# Altium PCB DRS4-PCB.PcbDoc (part 5 of 15) (continued)
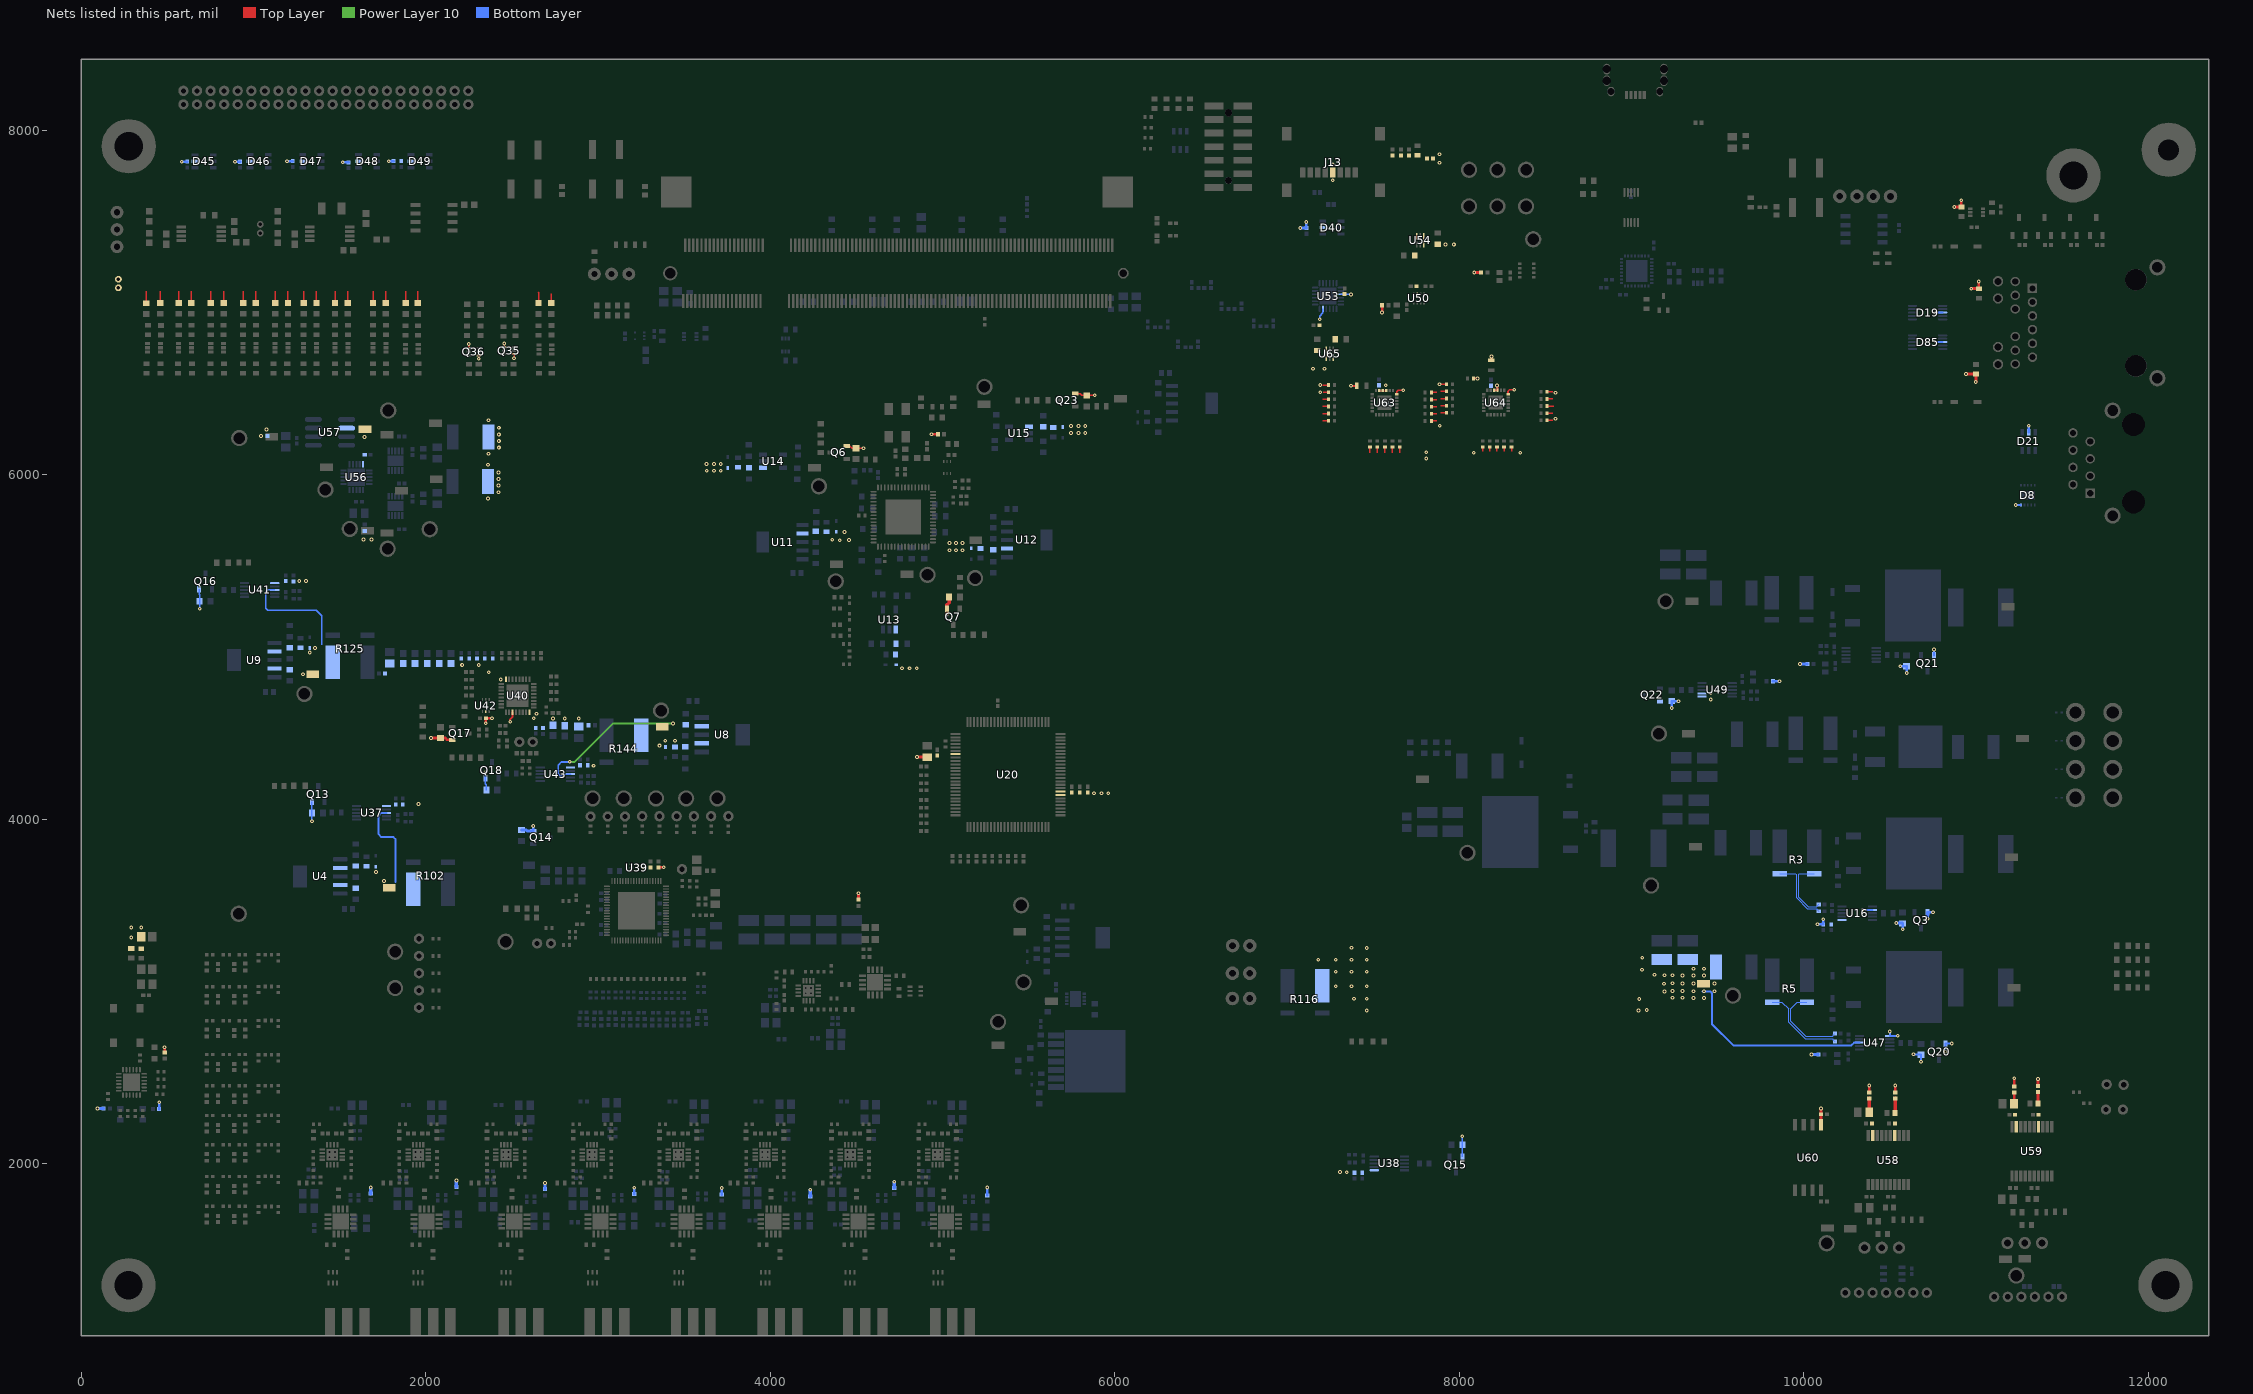
[diagram p15: the nets of this part, all layers, seen from the top]
## Part data (continued)
R10 R25 R47 R48 R70 R78 R107 R121 R122 R135 R150 R153 R197 R198 R208 R209 R210 R215 R281 R282 R283 R284 R285 R286 R287 R288 R297 R298 R299 R300 R301 R302 R303 R304 R311 R313 R314 R316 R317 R318 R319 R320 R329 R331: library part CMP-1012-00098-1, "10K 0.1W 5% 0603 (1608 Metric)  SMD", Case-EIA=0603, Case-Metric=1608, Power="0.1 W", Tolerance="5 %", Technology=SMT
R11: library part CMP-1012-00106-1, "22K 0.1W 5% 0603 (1608 Metric)  SMD", Case-EIA=0603, Case-Metric=1608, Power="0.1 W", Tolerance="5 %", Technology=SMT
R12 R19 R37 R38 R340 R341: library part CMP-1012-00655-1, "20K 0.1W 1% 0603 (1608 Metric)  SMD", Case-EIA=0603, Case-Metric=1608, Power="0.1 W", Tolerance="1 %", Technology=SMT
R15: library part CMP-1012-00102-1, "15K 0.1W 5% 0603 (1608 Metric)  SMD", Case-EIA=0603, Case-Metric=1608, Power="0.1 W", Tolerance="5 %", Technology=SMT
R16 R17: library part CMP-1012-00103-1, "16K 0.1W 5% 0603 (1608 Metric)  SMD", Case-EIA=0603, Case-Metric=1608, Power="0.1 W", Tolerance="5 %", Technology=SMT
R18: library part CMP-1012-00104-1, "18K 0.1W 5% 0603 (1608 Metric)  SMD", Case-EIA=0603, Case-Metric=1608, Power="0.1 W", Tolerance="5 %", Technology=SMT
R20 R24 R75 R76 R77 R79 R81 R82 R83 R84 R85 R86 R87 R88 R89 R90 R91 R92 R93 R94 R95 R96 R97 R98 R103 R105 R108 R117 R120 R128 R129 R130 R132 R133 R134 R136 R137 R138 R139 R141 R142 R143 R145 R146 R147 R149 R151 R158 R173 R191 R192 R194 R199 R200 R201 R205 R206 R207 R219 R220 R270 R271 R272 R333 R369 R370 R371 R372 R373 R374 R375 R376 R377 R378 R379 R380 R381: "0R 0.062W 1% 0402 (1005 Metric)  SMD", Resistance="0R 1% 0402", Supplier Part Number 1=71-CRCW04020000Z0EDC, Supplier 1=Mouser
R21 R29 R32 R49 R53 R64 R65 R112 R123 R124 R140 R154 R155 R195 R196 R211 R212 R213 R216 R273 R274 R275 R276 R277 R278 R279 R280 R289 R290 R291 R292 R293 R294 R295 R296 R305 R306 R309 R310 R321 R322 R323 R324: library part CMP-1012-00070-1, "680R 0.1W 5% 0603 (1608 Metric)  SMD", Case-EIA=0603, Case-Metric=1608, Power="0.1 W", Tolerance="5 %", Technology=SMT
R23 R45 R46 R104 R118 R119 R131 R148 R152 R202 R203 R204 R214: library part CMP-1012-00122-1, "100K 0.1W 5% 0603 (1608 Metric)  SMD", Case-EIA=0603, Case-Metric=1608, Power="0.1 W", Tolerance="5 %", Technology=SMT
R27 R36 R193: library part CMP-1012-00074-1, "1K 0.1W 5% 0603 (1608 Metric)  SMD", Case-EIA=0603, Case-Metric=1608, Power="0.1 W", Tolerance="5 %", Technology=SMT
R31 R33 R35 R57 R58 R59 R60 R68 R69 R71 R72 R73 R74 R99 R100 R109 R110 R113 R114 R163 R179 R217 R218 R250 R251 R252 R253 R254 R255 R256 R257 R258 R259 R260 R261 R262 R263 R264 R265 R266 R267 R268 R269 R307 R308 R312 R315 R334 R335 R336 R337 R338 R339 R343 R344 R382 R383 R384 R385 R386 R387: library part CMP-1011-00514-1, "1K1 0.063W 1% 0402 (1005 Metric)  SMD", Case-EIA=0402, Case-Metric=1005, Power="0.063 W", Tolerance="1 %", Technology=SMT
R39 R50 R51 R127 R166A R166B R166C R166D R166E R166F R166G R166H R167A R167B R167C R167D R167E R167F R167G R167H R182 R183 R361: library part CMP-1011-00320-1, "22R 0.063W 1% 0402 (1005 Metric)  SMD", Case-EIA=0402, Case-Metric=1005, Power="0.063 W", Tolerance="1 %", Technology=SMT
R40 R41 R42 R55 R56 R106 R168 R169 R184 R185 R345 R346 R347 R348 R349 R362: library part CMP-1011-00050-1, "100R 0.063W 5% 0402 (1005 Metric)  SMD", Case-EIA=0402, Case-Metric=1005, Power="0.063 W", Tolerance="5 %", Technology=SMT
R43 R44 R101 R189 R190 R325 R326 R327 R328 R359: "0603 Do not place resistor", Resistance="DNP 0603"
R61: library part Res_Yageo_RT0603BRE078KL_8K, "8K 0.1W 1% 0603 (1608 Metric)  SMD", Supplier Part Number 1=603-RT0603BRE078KL, Supplier 1=Mouser
R62: "RES SMD 523 OHM 1% 1/10W 0603", Resistance="523R 1% 0603", Supplier Part Number 1=71-CRCW0603-523-E3, Supplier 1=Mouser
R63: "RES SMD 442 OHM 1% 1/10W 0603", Resistance="442R 1% 0603", Supplier Part Number 1=652-CR0603FX-4420ELF, Supplier 1=Mouser
R66: library part CMP-1012-00110-1, "33K 0.1W 5% 0603 (1608 Metric)  SMD", Case-EIA=0603, Case-Metric=1608, Power="0.1 W", Tolerance="5 %", Technology=SMT
R67: "Thick Film Resistors - SMD 2.49K ohm 1% 50V General Purpose", Resistance="2.49k 1% 0402", Supplier Part Number 1=603-RC0402FR-132K49L, Supplier 1=Mouser
R80 R187 R188 R225 R226 R227 R228 R231 R232 R233 R234 R237 R238 R239 R240 R243 R244 R245 R246 R248 R249: library part CMP-1011-00449-1, "300R 0.063W 1% 0402 (1005 Metric)  SMD", Case-EIA=0402, Case-Metric=1005, Power="0.063 W", Tolerance="1 %", Technology=SMT
R111: library part CMP-1012-00053-1, "130R 0.1W 5% 0603 (1608 Metric)  SMD", Case-EIA=0603, Case-Metric=1608, Power="0.1 W", Tolerance="5 %", Technology=SMT
R115 R126 R157A R157B R157C R157D R157E R157F R157G R157H R172 R342: library part CMP-1011-00363-1, "49R9 0.063W 1% 0402 (1005 Metric)  SMD", Case-EIA=0402, Case-Metric=1005, Power="0.063 W", Tolerance="1 %", Technology=SMT
R156A R156B R156C R156D R156E R156F R156G R156H R164A R164B R164C R164D R164E R164F R164G R164H R171 R178: library part CMP-1011-00374-1, "61R9 0.063W 1% 0402 (1005 Metric)  SMD", Case-EIA=0402, Case-Metric=1005, Power="0.063 W", Tolerance="1 %", Technology=SMT
R159A R159B R159C R159D R159E R159F R159G R159H R162A R162B R162C R162D R162E R162F R162G R162H R174 R177: library part CMP-1011-00420-1, "165R 0.063W 1% 0402 (1005 Metric)  SMD", Case-EIA=0402, Case-Metric=1005, Power="0.063 W", Tolerance="1 %", Technology=SMT
R160A R160B R160C R160D R160E R160F R160G R160H R161A R161B R161C R161D R161E R161F R161G R161H R175 R176: library part CMP-1011-00302-1, "15R 0.063W 1% 0402 (1005 Metric)  SMD", Case-EIA=0402, Case-Metric=1005, Power="0.063 W", Tolerance="1 %", Technology=SMT
R165A R165B R165C R165D R165E R165F R165G R165H R170A R170B R170C R170D R170E R170F R170G R170H R180 R181: library part CMP-1011-00457-1, "348R 0.063W 1% 0402 (1005 Metric)  SMD", Case-EIA=0402, Case-Metric=1005, Power="0.063 W", Tolerance="1 %", Technology=SMT
R186 R223 R224 R229 R230 R235 R236 R241 R242 R247: library part CMP-1011-00311-1, "18R 0.063W 1% 0402 (1005 Metric)  SMD", Case-EIA=0402, Case-Metric=1005, Power="0.063 W", Tolerance="1 %", Technology=SMT
R221: library part CMP-1011-00328-1, "25R5 0.063W 1% 0402 (1005 Metric)  SMD", Case-EIA=0402, Case-Metric=1005, Power="0.063 W", Tolerance="1 %", Technology=SMT
R222: library part CMP-1012-00284-1, "10R 0.1W 1% 0603 (1608 Metric)  SMD", Case-EIA=0603, Case-Metric=1608, Power="0.1 W", Tolerance="1 %", Technology=SMT
R330 R332: "RES SMD 16.9k OHM 5% 1/4W 0603", Resistance="16.9K 1% 0603", Supplier Part Number 1=667-ERJ-3EKF1692V, Supplier 1=Mouser
R350 R351 R352 R353 R354 R355 R356 R357 R358: library part CMP-1011-00341-1, "33R 0.063W 1% 0402 (1005 Metric)  SMD", Case-EIA=0402, Case-Metric=1005, Power="0.063 W", Tolerance="1 %", Technology=SMT
R360: "20R 62.5mW 1% 0402 (1005 Metric)  SMD", Resistance="20R 1% 0402", Supplier Part Number 1=755-SFR01MZPF20R0, Supplier 1=Mouser
R363 R364 R365 R366 R367 R368 R388 R389: "0R 0.25W 1% 0603 (1608 Metric)  SMD", Resistance="0R 1% 0603", Supplier Part Number 1=71-CRCW06030000Z0EAH, Supplier 1=Mouser
S1 S2 S3: "Tactile Switches Tact 6.2 x 6.2, 5.1 mm H, 1.7N, J leads, Potting Friendly, IP67", Supplier Part Number 1=611-KSC421J70SHLFSPF, Supplier 1=Mouser
T1: "WE-RJ45 LAN Transformer, 10/100/1000 Base-T, THT, Port 1x1, Tab Up", Operating Temperature="0 to +70 degC", Supplier Part Number 1=710-7499111221A, ComponentLink1Description=Manufacturer, ComponentLink1URL=http://www.we-online.de, ComponentLink2Description=Datasheet, ComponentLink2URL=http://katalog.we-online.de/pbs/datasheet/7499111221A.pdf, Data Rate="10/100/1000 Base-T", LED (Left-Right)=green-green, Mounting Technology=THT, Part Number=7499111221A, PoE=non-PoE, Port Number=1x1, Published Date="Dec. 2017", Publisher="Wurth Elektronik", Supplier 1=Mouser, Tab Position=Up, USB=No
TP1 TP2 TP4 TP5 TP7 TP8 TP10 TP12 TP14 TP16 TP19 TP21 TP23 TP24 TP26 TP28 TP30 TP32 TP34 TP36 TP72 TP73 TP74 TP76 TP78 TP79 TP80 TP81 TP82 TP89 TP90 TP91 TP92 TP95: "Circuit Board Hardware - PCB SMT Mini Test Terminal, Reel", Supplier Part Number 1=76Y5391, Series=S2761-46R, Supplier 1=Newark
TP3 TP6 TP9 TP11 TP13 TP15 TP17 TP18 TP20 TP22 TP25 TP27 TP29 TP31 TP33 TP35 TP37 TP38 TP39 TP40 TP41 TP42 TP43 TP44 TP51 TP52 TP53 TP54 TP55 TP68 TP83 TP84 TP85 TP86 TP87 TP88 TP93 TP94 TP96: "Circuit Board Hardware - PCB TEST POINT BLK .063", Supplier Part Number 1=534-5006, Series=5006, Supplier 1=Mouser
TP45 TP46 TP47 TP48 TP49 TP50 TP57 TP58 TP59 TP60 TP61 TP62 TP63 TP64 TP65 TP66 TP67 TP97 TP98 TP99 TP100 TP101 TP102: "Headers & Wire Housings Unshrouded 1 POS T/H", Supplier Part Number 1=571-51462801, Series=5-146280-1, Supplier 1=Mouser
U1 U2: "Supervisory Circuits 2.93V Monitor"
U4 U5 U9: "Single Output High PSRR LDO, 500 mA, Fixed 2.5 V Output, 2.7 to 5.5 V Input, 6-pin SOT-223 (DCQ), -40 to 125 degC, Green (RoHS & no Sb/Br)", Manufacturer="Texas Instruments", Rating=Catalog, Supplier Part Number 1=595-TPS79525DCQR, Accuracy(%)=2, ComponentLink1Description="Manufacturer URL", ComponentLink1URL=http://www.ti.com/, ComponentLink2Description=Datasheet, ComponentLink2URL=http://www.ti.com/general/docs/lit/getliterature.tsp?genericPartNumber=TPS79525&fileType=pdf, ComponentLink3Description="Package Specification", ComponentLink3URL=http://www.ti.com/litv/pdf/mpds098c, DatasheetVersion=SLVS350H, Eco-Plan="Green (RoHS & no Sb/Br)", Fixed Output Options(V)=2.5, Iout(Max)(A)=0.5, Iq(Typ)(mA)=0.26, Mounting Technology="Surface Mount", PackageDescription="6-Pin Plastic Small Outline, Body 3.5 x 6.5 mm, Pitch 1.27 mm", PackageReference=DCQ0006A, PackageVersion=4202109/D, PartNumber=TPS79525DCQR, SubFamily="Single Channel LDO", Supplier 1=Mouser, Supplier 2=Digi-Key, Supplier 3=Arrow, Supplier Part Number 2=296-41778-6-ND, Supplier Part Number 3=TPS79525DCQR, Vdo(Typ)(mV)=110, Vin(Max)(V)=5.5, Vin(Min)(V)=2.7, Vout Adj(Max)(V)=2.5, Vout Adj(Min)(V)=2.5
U6: "LDO Voltage Regulators 5A Low VIN LDO Regulator with 0.5Vref", Supplier Part Number 1=998-MIC69502WRTR, Series=MIC69502WR-TR, Supplier 1=Mouser
U7: "LDO Voltage Regulators 0.5A Hi PSRR FT LDO 2.5V", Supplier Part Number 1=584-ADM7170ACPZ2.5R7, Series=ADM7170ACPZ-2.5-R7, Supplier 1=Mouser
U8: "Single Output High PSRR LDO, 500 mA, Fixed 3 V Output, 2.7 to 5.5 V Input, 6-pin SOT-223 (DCQ), -40 to 125 degC, Green (RoHS & no Sb/Br)", Manufacturer="Texas Instruments", Rating=Catalog, Supplier Part Number 1=595-TPS79530DCQR, Accuracy(%)=2, ComponentLink1Description="Manufacturer URL", ComponentLink1URL=http://www.ti.com/, ComponentLink2Description=Datasheet, ComponentLink2URL=http://www.ti.com/general/docs/lit/getliterature.tsp?genericPartNumber=TPS79530&fileType=pdf, ComponentLink3Description="Package Specification", ComponentLink3URL=http://www.ti.com/litv/pdf/mpds098c, DatasheetVersion=SLVS350H, Eco-Plan="Green (RoHS & no Sb/Br)", Fixed Output Options(V)=3, Iout(Max)(A)=0.5, Iq(Typ)(mA)=0.26, Mounting Technology="Surface Mount", PackageDescription="6-Pin Plastic Small Outline, Body 3.5 x 6.5 mm, Pitch 1.27 mm", PackageReference=DCQ6, PackageVersion=4202109/D, PartNumber=TPS79530DCQR, SubFamily="Single Channel LDO", Supplier 1=Mouser, Vdo(Typ)(mV)=110, Vin(Max)(V)=5.5, Vin(Min)(V)=2.7, Vout Adj(Max)(V)=3, Vout Adj(Min)(V)=3
U10: "MOSFET Automotive-grade N-channel 60 V, 19 mOhm typ., 24 A STripFET F6 Power MOSFET in a DPAK package", Supplier Part Number 1=511-STD30NF06L, Built_By=EMA_UL_Team, C="Copyright (C) 2015 Accelerated Designs. All rights reserved", Manufacturer_Part_Number=STD30NF06LT4, RefDes=RefDes, Supplier 1=Mouser, Type=DEV, Vendor=STMicroelectronics
U11: library part CMP-0395-00376-2, "Single Output High PSRR LDO, 1.5 A, Fixed 1.8 V Output, 2.7 to 5.5 V Input, 6-pin SOT-223 (DCQ), -40 to 125 degC, Green (RoHS & no Sb/Br)", Manufacturer="Texas Instruments", Accuracy(%)=3, ComponentLink1Description="Manufacturer URL", ComponentLink1URL=http://www.ti.com/, ComponentLink2Description=Datasheet, ComponentLink2URL=http://www.ti.com/general/docs/lit/getliterature.tsp?genericPartNumber=TPS78618&fileType=pdf, ComponentLink3Description="Package Specification", ComponentLink3URL=http://www.ti.com/litv/pdf/mpds098c, DatasheetVersion=SLVS389L, Eco-Plan="Green (RoHS & no Sb/Br)", Fixed Output Options(V)=1.8, Iout(Max)(A)=1.5, Iq(Typ)(mA)=0.2, Mounting Technology="Surface Mount", PackageDescription="6-Pin Plastic Small Outline, Body 3.5 x 6.5 mm, Pitch 1.27 mm", PackageReference=DCQ0006A, PackageVersion=4202109/D, PartNumber=TPS78618DCQ, SubFamily="Single Channel LDO", Vdo(Typ)(mV)=390, Vin(Max)(V)=5.5, Vin(Min)(V)=2.7, Vout Adj(Max)(V)=1.8, Vout Adj(Min)(V)=1.8
U12: library part CMP-0394-00936-2, "Single Output High PSRR LDO, 250 mA, Fixed 2.5 V Output, 2.7 to 5.5 V Input, 6-pin SOT-223 (DCQ), -40 to 85 degC, Green (RoHS & no Sb/Br)", Manufacturer="Texas Instruments", Accuracy(%)=3, ComponentLink1Description="Manufacturer URL", ComponentLink1URL=http://www.ti.com/, ComponentLink2Description=Datasheet, ComponentLink2URL=http://www.ti.com/general/docs/lit/getliterature.tsp?genericPartNumber=TPS79425&fileType=pdf, ComponentLink3Description="Package Specification", ComponentLink3URL=http://www.ti.com/litv/pdf/mpds098c, DatasheetVersion=SLVS349E, Eco-Plan="Green (RoHS & no Sb/Br)", Fixed Output Options(V)=2.5, Iout(Max)(A)=0.25, Iq(Typ)(mA)=0.26, Mounting Technology="Surface Mount", PackageDescription="6-Pin Plastic Small Outline, Body 3.5 x 6.5 mm, Pitch 1.27 mm", PackageReference=DCQ0006A, PackageVersion=4202109/D, PartNumber=TPS79425DCQR, SubFamily="Single Channel LDO", Vdo(Typ)(mV)=155, Vin(Max)(V)=5.5, Vin(Min)(V)=2.7, Vout Adj(Max)(V)=2.5, Vout Adj(Min)(V)=2.5
U13 U14 U15: library part CMP-0394-00316-2, "Single Output Fast RF LDO, 200 mA, Fixed 3.3 V Output, 2.7 to 5.5 V Input, 5-pin SOT-23 (DBV), -40 to 125 degC, Green (RoHS & no Sb/Br)", Manufacturer="Texas Instruments", Rating="HiRel Enhanced Product", Accuracy(%)=2, Code_JEDEC=MO-178, ComponentLink1Description="Manufacturer URL", ComponentLink1URL=http://www.ti.com/, ComponentLink2Description=Datasheet, ComponentLink2URL=http://www.ti.com/general/docs/lit/getliterature.tsp?genericPartNumber=TPS79333-EP&fileType=pdf, ComponentLink3Description="Package Specification", ComponentLink3URL=http://www.ti.com/litv/pdf/mpds018i, DatasheetVersion=SGLS163B, Eco-Plan="Green (RoHS & no Sb/Br)", Fixed Output Options(V)=3.3, Iout(Max)(A)=0.2, Iq(Typ)(mA)=0.2, Mounting Technology="Surface Mount", PackageDescription="5-Pin Plastic Small Outline, Body 1.60 Ãƒâ€” 2.90 mm, Pitch 0.95 mm", PackageReference=DBV0005A, PackageVersion=4073253-4/K, PartNumber=TPS79333DBVREP, SubFamily="Single Channel LDO", Vdo(Typ)(mV)=102, Vin(Max)(V)=5.5, Vin(Min)(V)=2.7, Vout Adj(Max)(V)=3.3, Vout Adj(Min)(V)=3.3
U16 U37 U38 U41 U43 U47 U48 U49: "Current & Power Monitors & Regulators Automotive, 36-V, Ultra-High Accuracy, Low-/High-Side, I2C Out Current/Power Monitor w/ Alert 10-VSSOP -40 to 125", Supplier Part Number 1=595-INA226AQDGSRQ1, Supplier 1=Mouser
U17: "Supervisory Circuits LOW VOLT DETECT VOL", Supplier Part Number 1=BU4230FVE-TR, Supplier 1=Mouser
U19: "Clock Synthesizer / Jitter Cleaner Single PLL jitter attenuator with xtal: 12-outputs up to 1028 MHz; integer+fractional", Supplier Part Number 1=634-SI5395A-A-GM, Series=SI5395A-A-GM, Supplier 1=Mouser
U20: "Interface - I/O Expanders 60BIT IO EXPANDER W/EEPROM", Supplier Part Number 1=727-CY8C9560A-24AXI, Series=CY8C9560A-24AXI, Supplier 1=Mouser
U36: library part DRS4, "DRS4 QFN76 DAQ Chip", Series=DRS4
U39 U42 U51: "Board Mount Temperature Sensors Hi-Prec Lo-Pwr Dig Temp Sensor", Supplier Part Number 1=595-TMP112AIDRLR, Supplier 1=Mouser
U40: library part AD9245BCPZ-40, "Analog to Digital Converters - ADC 14-Bit 40 MSPS 3V", Supplier Part Number 1=584-AD9245BCPZ-40, Built_By=EMA_UL_Team, C="Copyright (C) 2015 Accelerated Designs. All rights reserved", Part=AD9245BCPZ-40, RefDes=RefDes, Series=AD9245BCPZ-40, Supplier 1=Mouser, Type=DEV, Vendor="Analog Devices Inc"
U44A U44B U44C U44D U44E U44F U44G U44H U45: library part HMC849ALP4CE, "RF Switch ICs DC-6 GHZ Hi Isolation Switch", Supplier Part Number 1=584-HMC849ALP4CE, Built_By="Analog Devices Imc.", Manufacturer_Part_Number=HMC849ALP4CE, RefDes=RefDes, Series=HMC849ALP4CE, Supplier 1=Mouser, Type=DEV, Vendor="Analog Devices Inc"
U46: "USB Interface IC USB to Serial UART Enhanced IC QFN-32", Supplier Part Number 1=895-FT232RQ, Series=FT232RQ, Supplier 1=Mouser
U50: "Board Mount Hall Effect / Magnetic Sensors Ultra Lo-Pwr Hi Perf 3-Axis 1.9-3.6V", Supplier Part Number 1=511-LIS3MDLTR, Supplier 1=Mouser
U52: "Board Mount Humidity Sensors", Supplier Part Number 1=262-BME280, Supplier 1=Mouser
U53: "Interface - I/O Expanders SDIO Port Expander", Supplier Part Number 1=595-TXS02612RTWR, Series=TXS02612RTWR, Supplier 1=Mouser
U54 U65: "LDO Voltage Regulators 300mA Low", Supplier Part Number 1=595-TLV70218QDSERQ1, Series=TLV70218QDSERQ1, Supplier 1=Mouser
U55: "Clock Buffer LVCMOS 2:12 buffer (200MHz), 2:1 LVCMOS input max, output enable (QFN24)", Supplier Part Number 1=634-SI53362-B-GM, Supplier 1=Mouser
U56: library part AD5675BCPZ-REEL7, "Digital to Analog Converters - DAC 16-bit octal I2C nanoDAC", Supplier Part Number 1=584-AD5675BCPZ-REEL7, Built_By="Analog Devices Inc.", Manufacturer_Part_Number=AD5675BCPZ-REEL7, RefDes=RefDes, Series=AD5675BCPZ-REEL7, Supplier 1=Mouser, Type=DEV, Vendor="Analog Devices Inc"
U57: library part CMP-0784-00295-1, "Ultralow Noise, High Accuracy Voltage Reference, 2.048 V Output, 3 to 15 V Supply, Industrial, 8-pin SOIC (R-8), Reel", Manufacturer="Analog Devices", Operating Temp Range="-40 to 125 degC", Code_JEDEC=MS-012-AA, ComponentLink1Description="Manufacturer URL", ComponentLink1URL=http://www.analog.com/en/index.html, ComponentLink2Description=Datasheet, ComponentLink2URL=http://www.analog.com/static/imported-files/data_sheets/ADR4520_4525_4530_4533_4540_4550.pdf, ComponentLink3Description="Package Specification", ComponentLink3URL=http://www.analog.com/static/imported-files/packages/PKG_PDF/SOIC_Narrow%20(R)/R_8.pdf, ComponentLink4Description="URL Link1", ComponentLink4URL="Product URL:http://www.analog.com/en/special-linear-functions/voltage-references/adr4520/products/product.html", DatasheetVersion="Rev. 0", Max V Supply (V)=15, Min V Supply (V)=3, Mounting Technology="Surface Mount", PackageDescription="8-Pin Standard Small Outline Package, Body 4.9 x 3.9 mm, Pitch 1.27 mm", PackageReference=R-8, PackageVersion="060506-A, 06/2006", Packing=Reel, PartNumber=ADR4520BRZ-R7, Ref Out TC (ppm/C)=2, Vout=2.048V
U58 U59: "Digital Isolators Isolated I2C & Power", Supplier Part Number 1=584-ADM3260ARSZ-RL7, Supplier 1=Mouser
U60: "Digital Isolators IC Robust Dual ISO 2:1 channel", Supplier Part Number 1=584-ADUM226N0BRIZ, Series=ADUM226N0BRIZ, Supplier 1=Mouser
U61: "LDO Voltage Regulators Ultra Low Iq LDO", Supplier Part Number 1=579-MCP1812AT-018/TT, Series=MCP1812AT-018/TT, Supplier 1=Mouser
U62: library part CMP-0395-00444-2, "Single Output High PSRR LDO, 500 mA, Fixed 2.5 V Output, 2.7 to 5.5 V Input, 6-pin SOT-223 (DCQ), -40 to 125 degC, Green (RoHS & no Sb/Br)", Manufacturer="Texas Instruments", Rating=Catalog, Supplier Part Number 1=595-TPS79525DCQR, Accuracy(%)=2, ComponentLink1Description="Manufacturer URL", ComponentLink1URL=http://www.ti.com/, ComponentLink2Description=Datasheet, ComponentLink2URL=http://www.ti.com/general/docs/lit/getliterature.tsp?genericPartNumber=TPS79525&fileType=pdf, ComponentLink3Description="Package Specification", ComponentLink3URL=http://www.ti.com/litv/pdf/mpds098c, DatasheetVersion=SLVS350H, Eco-Plan="Green (RoHS & no Sb/Br)", Fixed Output Options(V)=2.5, Iout(Max)(A)=0.5, Iq(Typ)(mA)=0.26, Mounting Technology="Surface Mount", PackageDescription="6-Pin Plastic Small Outline, Body 3.5 x 6.5 mm, Pitch 1.27 mm", PackageReference=DCQ0006A, PackageVersion=4202109/D, PartNumber=TPS79525DCQR, SubFamily="Single Channel LDO", Supplier 1=Mouser, Vdo(Typ)(mV)=110, Vin(Max)(V)=5.5, Vin(Min)(V)=2.7, Vout Adj(Max)(V)=2.5, Vout Adj(Min)(V)=2.5
U63 U64: "Multiplexer Switch ICs 8CH I2C SWTCH W/REST", Supplier Part Number 1=771-PCA9548ABS118, Series=PCA9548ABS,118, Supplier 1=Mouser
XTAL1: "TCXO Oscillators 50MHz 5x3.2x1.5mm 0.2ppm max Crystal", Supplier Part Number 1=81-XTCLH50M000CHJA3P, Supplier 1=Mouser, Supplier 2=Digi-Key, Supplier Part Number 2=490-18042-1-ND
XTAL2: library part AST3TQ-28, "TCXO Oscillators 25MHz 3.3Volt LVCMOS 0.280 ppm -40C 85C", Supplier Part Number 1=815-3TQ-T40-28, Supplier 1=Mouser

## Free pads (board coordinates)
  round 314.96 hole 164: 2(273.72,1294.72) 2(275.16,7906.65) 2(11564.4,7737.66) 2(12098.7,1294.72)
  round 314.96 hole 122.05: 2(12117.8,7886.23)

## Via types
v1: diameter 21.65, hole 10, Top Layer to Bottom Layer, 2413 vias
v2: diameter 20, hole 10, Top Layer to Bottom Layer, 123 vias
v3: diameter 19, hole 8, Top Layer to Bottom Layer, 12 vias
v4: diameter 27.56, hole 10, Top Layer to Bottom Layer, 1 vias
v5: diameter 21.65, hole 10, Top Layer to Bottom Layer, tented top, 1 vias

## Nets (pads, with @x,y where several pads share a name; then routed paths per layer and width w, separated by ;. In a path a pad name is that pad's centre, name@x,y a point inside that pad or via, vN(x,y) a via of type N, cw(c..) or ccw(c..) an arc to the next point about the centre after c; other vN are vias at no path point)
1V8_LIS3MDLTR: C273.2 C373.2 U50.6 U54.3
1V8_TXS02612RTWR: C274.1 C374.2 U53.5 U65.3 | length 67
  Bottom Layer w7.87: v1(7189.09,6902.99) 7189.09,6921.07 7207.92,6939.91 U53.5@7207.91,6962.19
"2V5 ADC": C186.2 C187.1 C188.1 C189.1 C190.2 C191.2 C192.1 C193.1 C194.2 C195.2 C198.1 FB16.2 U40.16
  other v1: 2434.54,4811.62 2364.19,4852.94 2210.3,4895.12 2306.53,4895.12
2V5_ADC_DIG: C33.2 R125.1 TP21.1 U9.4 U41.8 | length 663
  Bottom Layer w7.87: U41.8@1122.61,5330.71 1080.5,5330.71 1070.83,5321.04 1070.83,5225.06 1082.79,5213.1 1363.54,5213.1 1395.37,5181.27 1395.37,5012.73
  other v1: 1286.08,4841.87
2V5_DRS_ANA: C12.2 R102.1 TP10.1 U4.4 U37.8 | length 519.8
  Bottom Layer w11.81: U37.8@1772.09,4036.82 1772.02,4036.75 1742.01,4036.75 1725.24,4019.98 1725.24,3912.76 1742,3895.99 1810.96,3895.99 1824.37,3882.59 1824.37,3635.44
  other v1: 1756.8,3641.68
2V5_REF: C339.2 TP80.1 U56.15 U57.6
  other v1: 1643.07,6218.71
3.3V: C8.1 C9.1 C10.2 C24.2 C25.2 C27.2 C31.2 C37.2 C42.2 C45.2 C49.2 C55.2 C61.2 C62.2 C114.1 C115.2 C116.2 C117.2 C118.2 C136.2 C137.2 C146.2 C147.2 C148.2 C149.2 C177.2 C178.2 C180.1 C181.2 C182.2 C277.2 C292.2 C329.2 C330.2 C331.2 C332.2 C333.2 C334.2 C346.2 C372.2 D5.1 D8.5 D9.1 D10.1 D11.1 D12.1 D13.1 D14.1 D15.1 D19.3 D21.5 D45.5 D46.5 D47.5 D48.5 D49.5 D85.3 FB1.1 FB4.2 FB8.1 FB12.1 FB13.1 FB14.1 FB19A.1 FB19B.1 FB19C.1 FB19D.1 FB19E.1 FB19F.1 FB19G.1 FB19H.1 FB22.1 FB23.1 FB24.1 FB25.2 FB26.1 FB27.1 FB28.2 FB29.1 FB30.1 FB31.1 FB32.1 FB33.2 FB34.2 FB35.1 J15.1 L9.2 Q3.2 Q6.2 Q7.2 Q13.2 Q14.2 Q15.2 Q16.2 Q17.2 Q18.2 Q20.2 Q21.2 Q22.2 Q23.2 R7.1 R11.1 R12.2 R15.1 R16.1 R17.1 R18.1 R19.2 R23.2 R45.2 R46.2 R64.1 R65.1 R68.2 R69.2 R70.2 R71.2 R72.2 R73.2 R74.2 R101.1 R104.2 R116.1 R118.2 R119.2 R131.2 R148.2 R152.2 R202.2 R203.2 R204.2 R214.2 R222.1 R250.2 R251.2 R252.2 R253.2 R254.2 R255.2 R256.2 R257.2 R258.2 R259.2 R260.2 R261.2 R262.2 R263.2 R264.2 R265.2 R266.2 R267.2 R268.2 R269.2 R334.2 R335.2 R336.2 R337.2 R338.2 R339.2 R359.1 TP8.1 U4.2 U8.2 U9.2 U11.2 U12.2 U13.1 U14.1 U15.1 U16.2 U16.6 U20.32 U20.82 U20.83 U37.6 U38.6 U39.5 U41.6 U42.5 U43.6 U47.1 U47.8 U49.1 U49.2 U54.1 U54.6 U60.1 U63.18 U63.21 U63.22 U63.23 U64.18 U64.21 U64.22 U65.1 U65.6 | length 5799.8
  Top Layer w5: U63.23@7535.63,6488.66 U63.22@7555.31,6488.66 U63.21@7575,6488.66
  Top Layer w7.87: Q6.2@4442,6166.29 4462.14,6166.29 4474.93,6153.49 R46.2@4496.95,6153.5 v1(4540.39,6153.5) ; Q23.2@5770.3,6471.49 Q23.2@5769.12,6470.31 5798.74,6470.31 5808.6,6460.46 v1(5883.54,6460.46) ; 7207.23,6313.5 R74.2@7239.92,6313.5 ; 7207.23,6354.84 R73.2@7239.92,6354.84 ; 7207.23,6396.19 R72.2@7239.92,6396.19 ; 7207.23,6437.54 R71.2@7239.92,6437.52 ; 7207.23,6520.24 R68.2@7239.92,6520.24 ; 7209.75,6479.33 R69.2@7242.44,6479.33 ; 7480.53,6127.06 R250.2@7480.53,6159.75 ; 7522.51,6127.06 R251.2@7522.51,6159.75 ; 7567.48,6127.06 R252.2@7567.48,6159.75 ; 7610.95,6127.06 R253.2@7610.95,6159.75 ; 7654.43,6127.06 R259.2@7654.43,6159.75 ; R258.2@7836.93,6311.94 7869.62,6311.94 ; R257.2@7836.93,6353.29 7869.62,6353.29 ; R256.2@7836.93,6394.64 7869.62,6394.64 ; R255.2@7836.93,6435.98 7869.62,6435.98 ; R254.2@7836.93,6477.33 7869.62,6477.33 ; 7892.12,6359.61 R265.2@7924.8,6359.61 ; 7892.12,6400.98 R264.2@7924.8,6400.98 ; 7892.12,6442.32 R263.2@7924.8,6442.32 ; 7892.12,6483.66 R262.2@7924.8,6483.66 ; v1@7892.12,6525.04 R261.2@7924.8,6525.04 ; R260.2@8082.28,6558.64 8104.63,6558.64 v1(8104.8,6558.46) ; 8135.31,6135.43 R266.2@8135.31,6159.76 R266.2@8135.31,6162.4 ; 8176.66,6135.43 R267.2@8176.66,6159.76 R267.2@8176.66,6162.4 ; 8218.01,6135.43 R268.2@8218.01,6162.4 ; 8259.36,6135.43 R269.2@8259.36,6159.76 R269.2@8259.36,6162.4 ; 8302.67,6135.43 R339.2@8302.67,6159.76 R339.2@8302.67,6162.4 ; R338.2@8509.33,6315.51 8542.02,6315.51 ; R337.2@8509.33,6356.85 8542.02,6356.86 ; R335.2@8509.33,6439.57 8542.02,6439.56 ; R334.2@8509.33,6480.91 8542.02,6480.91 ; R336.2@8514.65,6396.54 8547.33,6396.54
  Top Layer w9.84: U63.18@7636.02,6467.01 7636.02,6481.93 7644.38,6490.29 v1(7674.6,6490.29) ; U64.22@8201.77,6489.72 U64.21@8221.46,6489.72 ; U64.18@8282.48,6468.07 8282.48,6484.54 8290.47,6492.54 v1(8317.67,6492.54)
  Top Layer w11.81: v1(7370.86,6516.02) R101.1@7403.67,6516.02 ; R359.1@8185.67,6663.77 v1(8185.67,6686.75) ; v1(8217.6,6518.44) 8219.49,6516.56 8219.49,6506.2 8221.46,6504.23 U64.21@8221.46,6489.72
  Top Layer w15.75: v1(482.76,2676.42) 483.8,2675.38 FB28.2@483.8,2645.17 ; v1(2030.1,4470.94) R148.2@2084.8,4470.94 2112.72,4470.94 2122.95,4460.72 Q17.2@2153.5,4460.72 ; v1(2347.8,4556.75) 2347.8,4584.59 2347.2,4585.19 C180.1@2348.43,4586.41 2348.59,4586.24 v1(2383.57,4586.24) ; C148.2@3349.76,3720.79 v1(3380.28,3720.79) ; FB35.1@4510.87,3532.76 v1(4510.87,3569.53) ; v1(4850.67,4361.62) 4909.96,4361.62 C114.1@4911.65,4359.92 ; v1(4935.83,6235.28) FB27.1@4972.85,6235.28 ; v1(7551.26,6941.56) FB26.1@7551.26,6983.26 ; v1(8086.21,7173.54) FB25.2@8126.05,7173.54 ; U60.1@10099.13,2224.92 v1@10099.13,2315.88 ; FB29.1@10379.25,2414.72 v1(10379.25,2454.53) ; FB31.1@10529.88,2414.72 v1(10529.88,2454.53) ; v1(10872.78,7554) 10914.18,7554 R70.2@10914.64,7554.46 10913.27,7555.83 v1(10913.27,7592.75) ; v1(10940.55,6584.87) R65.1@10999.02,6584.87 v1@10999.02,6538.65 ; v1(10971.64,7080.14) 10972.38,7080.88 11009.63,7080.88 11010.36,7080.14 R64.1@11015.41,7080.14 v1@11015.41,7123.27 ; FB30.1@11220.55,2449.52 v1(11220.55,2495.42) ; FB32.1@11359.57,2450.88 v1(11359.57,2492.02)
  Top Layer w19.68: v1(5024.29,5188.4) 5024.29,5244.44 5037.23,5257.38 5037.23,5289.89 R45.2@5036.68,5290.43
  Bottom Layer w7.87: Q16.2@683.28,5333.81 683.28,5305.92 686.73,5302.47 R131.2@686.73,5265.89 v1(686.73,5221.91) ; Q13.2@1337.79,4100.01 1338.27,4099.53 v1(1338.27,3987.81) ; v1(2346.06,4273.15) 2346.06,4237.4 Q18.2@2345.49,4236.83 2345.66,4236.65 2345.66,4205.48 2351.42,4199.71 R152.2@2351.42,4168.9 ; Q15.2@8016.97,2041.59 v1@8016.97,2158.75
  Bottom Layer w9.84: Q21.2@10755.47,4950.71 v1(10755.47,4985.5) ; v1(11230.42,5824.11) 11230.72,5823.81 D8.5@11260.72,5823.81
  Bottom Layer w11.81: v1@9412.21,3000.7 9455.29,3000.7 9466.19,2989.8 9466.19,2810.79 9590.06,2686.92 10275.51,2686.92 10291.41,2702.82 U47.8@10323.3,2702.82 ; v1(10341.69,3473.66) U16.2@10397.27,3473.66 ; v1(10498.5,2767) U47.1@10498.5,2742.2 v1(10544.5,2742.2) ; v1(10635.98,2635.2) 10677.43,2635.2 R202.2@10679.82,2632.81 10679.26,2632.26 v1(10679.26,2592.35) ; v3(10763.63,6769.7) D85.3@10805.79,6769.7 ; v3(10763.63,6941.14) D19.3@10805.79,6941.14 ; v1(10821.75,2650.17) 10821.75,2696.47 Q20.2@10822.1,2696.81 10822.75,2697.46 v1(10858.9,2697.46)
  Bottom Layer w15.75: v1(94.05,2320.16) FB34.2@129.54,2320.16 ; FB33.2@451.81,2317.29 v1(451.81,2356.58) ; v1(582.64,7816.11) 583.71,7817.18 C329.2@613.86,7817.18 ; v1(891.51,7816.69) C330.2@921.07,7816.69 ; v1(1193.07,7820.39) C331.2@1226.73,7820.39 ; v1(1516.61,7813.5) C332.2@1550.36,7813.5 ; FB19A.1@1679.76,1825.68 FB19A.1@1680.03,1825.95 ; v1(1784.13,7820) 1811.99,7820 C334.2@1812.38,7820.39 ; R119.2@2555.24,3936.87 2582.4,3936.87 2588.09,3931.17 2623.16,3931.17 2623.16,3958.95 v1@2621.45,3960.67 ; FB19C.1@2691.97,1851.76 v1(2691.97,1887.76) ; FB19D.1@3209.84,1822.97 v1(3209.84,1859.91) ; v1(3717.46,1858.85) 3718.04,1858.26 FB19E.1@3718.04,1821.81 ; v1@5258.64,1861.38 v1(5258.71,1861.31) FB19H.1@5258.71,1816.37 ; v1(9232.28,4645.67) 9232.4,4645.78 R204.2@9232.4,4685.16 v1(9271.65,4685.16) ; FB24.1@9819.41,4800.59 v1(9857.96,4800.59) ; v1(9977.81,4901.06) FB23.1@10019.51,4901.06 ; v1(10044.39,2633.9) FB22.1@10083.59,2633.9 ; v1(10078.35,3389.83) C62.2@10111.82,3389.83 v1(10111.82,3419.64) ; v1(10535.98,3397.96) 10570.67,3397.96 R23.2@10573.09,3395.54 v1(10573.09,3360.54) ; v1(10559.78,4887.87) R203.2@10596.14,4887.87 10596.97,4887.04 v1(10596.97,4848.38) ; v1(10717.42,3421.97) Q3.2@10717.42,3459.36 v1(10749.82,3459.36) ; D21.5@11304.95,6246.92 11305.47,6247.44 v1(11305.47,6283.8)
  Bottom Layer w19.68: FB19A.1@1680.03,1825.95 v1(1680.03,1861.74) ; FB19B.1@2177.28,1864.72 v1(2177.28,1901.92) ; FB19F.1@4231.1,1810.58 v1(4231.1,1849.12) ; FB19G.1@4718.54,1859.47 v1(4718.54,1895.37)
  other v1: 7346.12,1950.46 7306.39,1951.5 8016.69,2159.04 10099.13,2320.47 7462.8,2889.67 9039.42,2889.54 9088.18,2892.8 9043.76,2955.65 7387.64,2956.93 7462.8,2956.93 9358.54,2962.39 9419.68,2962.39 9236.45,2963.41 9295.77,2962.97 9190.94,2999.46 9295.77,3002.34 9358.54,3001.76 9419.68,3001.76 9480.59,3001.76 9236.45,3002.78 7281.54,3029.76 7373.74,3029.76 7462.8,3029.76 9188.09,3044.98 9358.54,3045.97 9480.59,3045.97 9236.45,3046.99 9295.77,3046.56 9358.54,3092.31 9419.68,3092.31 9236.45,3093.33 9295.77,3092.89 9190.94,3094.76 9132.62,3097.61 7281.54,3114.96 7373.74,3114.96 7462.8,3114.96 9060.02,3125.78 9358.54,3131.68 9419.68,3131.68 7180.47,3184.25 7281.54,3184.25 7373.74,3184.25 7462.8,3184.25 9062.18,3196.22 7462.8,3251.74 7373.74,3253.55 289.21,3313.86 289.21,3371.06 347.64,3371.06 1709.99,3693.38 2623.15,3960.67 1957.2,4088.56 5879.09,4150.91 5922.44,4150.91 5962.13,4150.91 2973.7,4311.06 3355.9,4427.22 3390.12,4454.92 3445.91,4454.92 9458.66,4694.88 9458.66,4730.8 4764.38,4875.71 4808.21,4875.71 4849.91,4875.71 1326.14,4967.64 1355.62,4993.58 1265.25,5383.07 1303.75,5383.07 5039.72,5561 5076.88,5561 5115.78,5561 5039.72,5603.05 5076.88,5603.05 5115.78,5603.05 4402.81,5619.9 4456.87,5620.54 4358.94,5621.81 1637.3,5623.82 1684.15,5623.82 4430.8,5667.6 2360.28,5862.29 2421.08,5897.96 2421.08,5936.73 2421.08,5974.73 2421.08,6012.72 3629.74,6022.22 3672.77,6022.22 3711.93,6022.22 2360.28,6057.41 3629.29,6062.49 3672.77,6062.49 3711.93,6062.49 7808.03,6093.62 2362.97,6121.56 8083.11,6127.2 8353.54,6127.2 7807.98,6129.99 2423.77,6157.23 2423.77,6196 1042.85,6224.64 2423.77,6234 5745.18,6242.39 5788.21,6242.39 5827.37,6242.39 1074.58,6262.42 2423.77,6271.99 5744.73,6282.66 5788.21,6282.66 5827.37,6282.66 7886.2,6283.99 2362.97,6316.68 8557.6,6324.69 8557.6,6475.43 7191.46,6478.9 7191.46,6520.24 7572.89,6520.04 7884.72,6525.04 10998.31,6537.94 7150.43,6615.59 7217.41,6615.59 11014.77,7121.56 7919.74,7335.87 7967.95,7335.87 7884.8,7810.44 7884.8,7859.74
3V3_LED: D50.2 D51.2 D52.2 D53.2 D54.2 D55.2 D56.2 D57.2 D58.2 D59.2 D60.2 D61.2 D62.2 D63.2 D64.2 D65.2 D66.2 D67.2 D70.2 D71.2 J15.2 Q35.1 Q35.4 Q36.1 Q36.4 | length 1436.5
  Top Layer w7.87: D65.2@376.08,6995.61 376.08,7063.73 ; D64.2@458.81,6997.07 458.81,7065.2 ; D63.2@563.98,6997.06 563.98,7065.18 ; D62.2@638.42,6997.17 638.42,7065.27 ; D61.2@751.38,6997.06 751.38,7065.18 ; D60.2@825.83,6997.17 825.83,7065.27 ; D59.2@938.94,6997.08 938.94,7065.2 ; D58.2@1013.39,6997.17 1013.39,7065.29 ; D51.2@1124.61,6997.17 1124.61,7065.29 ; D50.2@1199.05,6997.25 1199.05,7065.38 ; D53.2@1290.16,6997.17 1290.16,7065.29 ; D52.2@1364.6,6997.25 1364.6,7065.38 ; D55.2@1472.48,6997.17 1472.48,7065.29 ; D54.2@1546.92,6997.25 1546.92,7065.38 ; D57.2@1693.03,6997.17 1693.03,7065.29 ; D56.2@1767.47,6997.25 1767.47,7065.38 ; D67.2@1882.07,6996.65 1882.07,7064.77 ; D66.2@1953.11,6996.65 1953.11,7064.77 ; Q36.1@2249.61,6733.56 2249.61,6756.97 v1@2251.23,6758.59 ; v1(2306.5,6672.96) 2306.5,6693.94 Q36.4@2306.66,6694.16 ; Q35.4@2455.58,6740.21 v1@2455.58,6762.21 ; v1(2512.14,6676.31) Q35.1@2512.14,6700.84 ; 2652.82,7058.53 2653.82,7057.53 D71.2@2653.82,6996.57 ; D70.2@2728.82,6996.57 2728.82,7050.58 2729.06,7050.83
  other v1: 2249.57,6758.59 2455.04,6762.21
3V3_SD: C275.2 C276.2 C282.2 C283.2 C284.2 C285.1 D40.5 FB12.2 J13.4 U53.21 | length 129.1
  Bottom Layer w7.87: U53.21@7312.25,7046.84 7369.8,7046.84 v1(7370.48,7046.15)
  Bottom Layer w15.75: v1(7076.57,7432.4) C276.2@7112.13,7432.4 7111.64,7432.89 v1(7111.64,7467.24)
  other v1: 7264.17,7708.66 7264.17,7800.47
3V3_SENSE_N: R5.3 R199.2 | length 505.8
  Bottom Layer w6.73: R5.3@9816.38,2937.66 9872.74,2937.66 9911.7,2898.7 9911.7,2821.7 10006.63,2726.78 10167.19,2726.78 10171.13,2722.83 10171.13,2717.46 10178.59,2710 R199.2@10179.57,2710
3V3_SENSE_P: R5.4 R205.2 | length 485.3
  Bottom Layer w6.73: R5.4@10017.72,2937.66 9962.4,2937.66 9923.44,2898.7 9923.44,2826.56 10011.49,2738.51 10167.19,2738.51 10171.13,2742.45 10171.13,2747.83 10178.59,2755.29 R205.2@10179.57,2755.29
3V3_VIN_LT: C350.2 C351.1 FB29.2 U58.9 | length 80
  Top Layer w19.68: C351.1@10379.25,2298.94 FB29.2@10379.25,2378.9
3V3_VIN_PB: C353.2 C354.1 FB30.2 U59.9 | length 65.9
  Top Layer w15.75: FB30.2@11220.56,2410.93 11220.56,2348.65 C354.1@11223.09,2346.12
3V3_VPP_LT: C357.2 C358.1 FB31.2 U58.4 | length 83.4
  Top Layer w19.68: C358.1@10529.88,2295.47 FB31.2@10529.88,2378.9
3V3_VPP_PB: C361.2 C362.1 FB32.2 U59.4 | length 66.1
  Top Layer w15.75: FB32.2@11359.57,2413.89 C362.1@11359.57,2350.12 11359.73,2350.28 C362.1@11361.24,2348.78
3V3_ZYNQ_SENSE_N: R3.3 R20.1 | length 399
  Bottom Layer w6.73: R3.3@9859.11,3684.43 9953.32,3684.43 9957.27,3680.48 9957.27,3543.14 10020.4,3480.01 10073.55,3480.01 10077.49,3476.06 10077.49,3473.7 10084.95,3466.24 R20.1@10085.94,3466.24
3V3_ZYNQ_SENSE_P: R3.4 R24.1 | length 373
  Bottom Layer w6.73: R3.4@10060.45,3684.43 9972.94,3684.43 9969,3680.48 9969,3548 10025.26,3491.74 10073.65,3491.74 10077.6,3495.68 10077.6,3498 10085.06,3505.46 R24.1@10086.04,3505.46
"3V ADC": C183.1 C184.2 C185.1 C196.2 C197.1 FB11.2 U40.27 U40.32 | length 62
  Top Layer w11.81: v1(2489.33,4565.99) 2489.33,4579.75 2503.19,4593.6 U40.27@2503.19,4622.23
  other v1: 2738.02,4585.12 2805.62,4585.12 2888.15,4585.12 2626.09,4585.51 2641.56,4611.85
3V_ADC_ANA: C29.2 R144.1 TP19.1 U8.4 U43.8 | length 894
  Power Layer 10 w10: v1@2835.21,4331.6 2860.74,4331.6 3084.28,4555.14 v1(3435.15,4555.14)
  Bottom Layer w10: v1@2830.35,4332.02 2785.84,4332.02 2767.77,4313.95 2767.77,4263.21 2780.01,4250.96 2794.7,4250.96 2804.95,4261.21 U43.8@2839.14,4261.21
  other v1: 2835.21,4333.4